# KiCad board Atari TT030.kicad_pcb (continued)
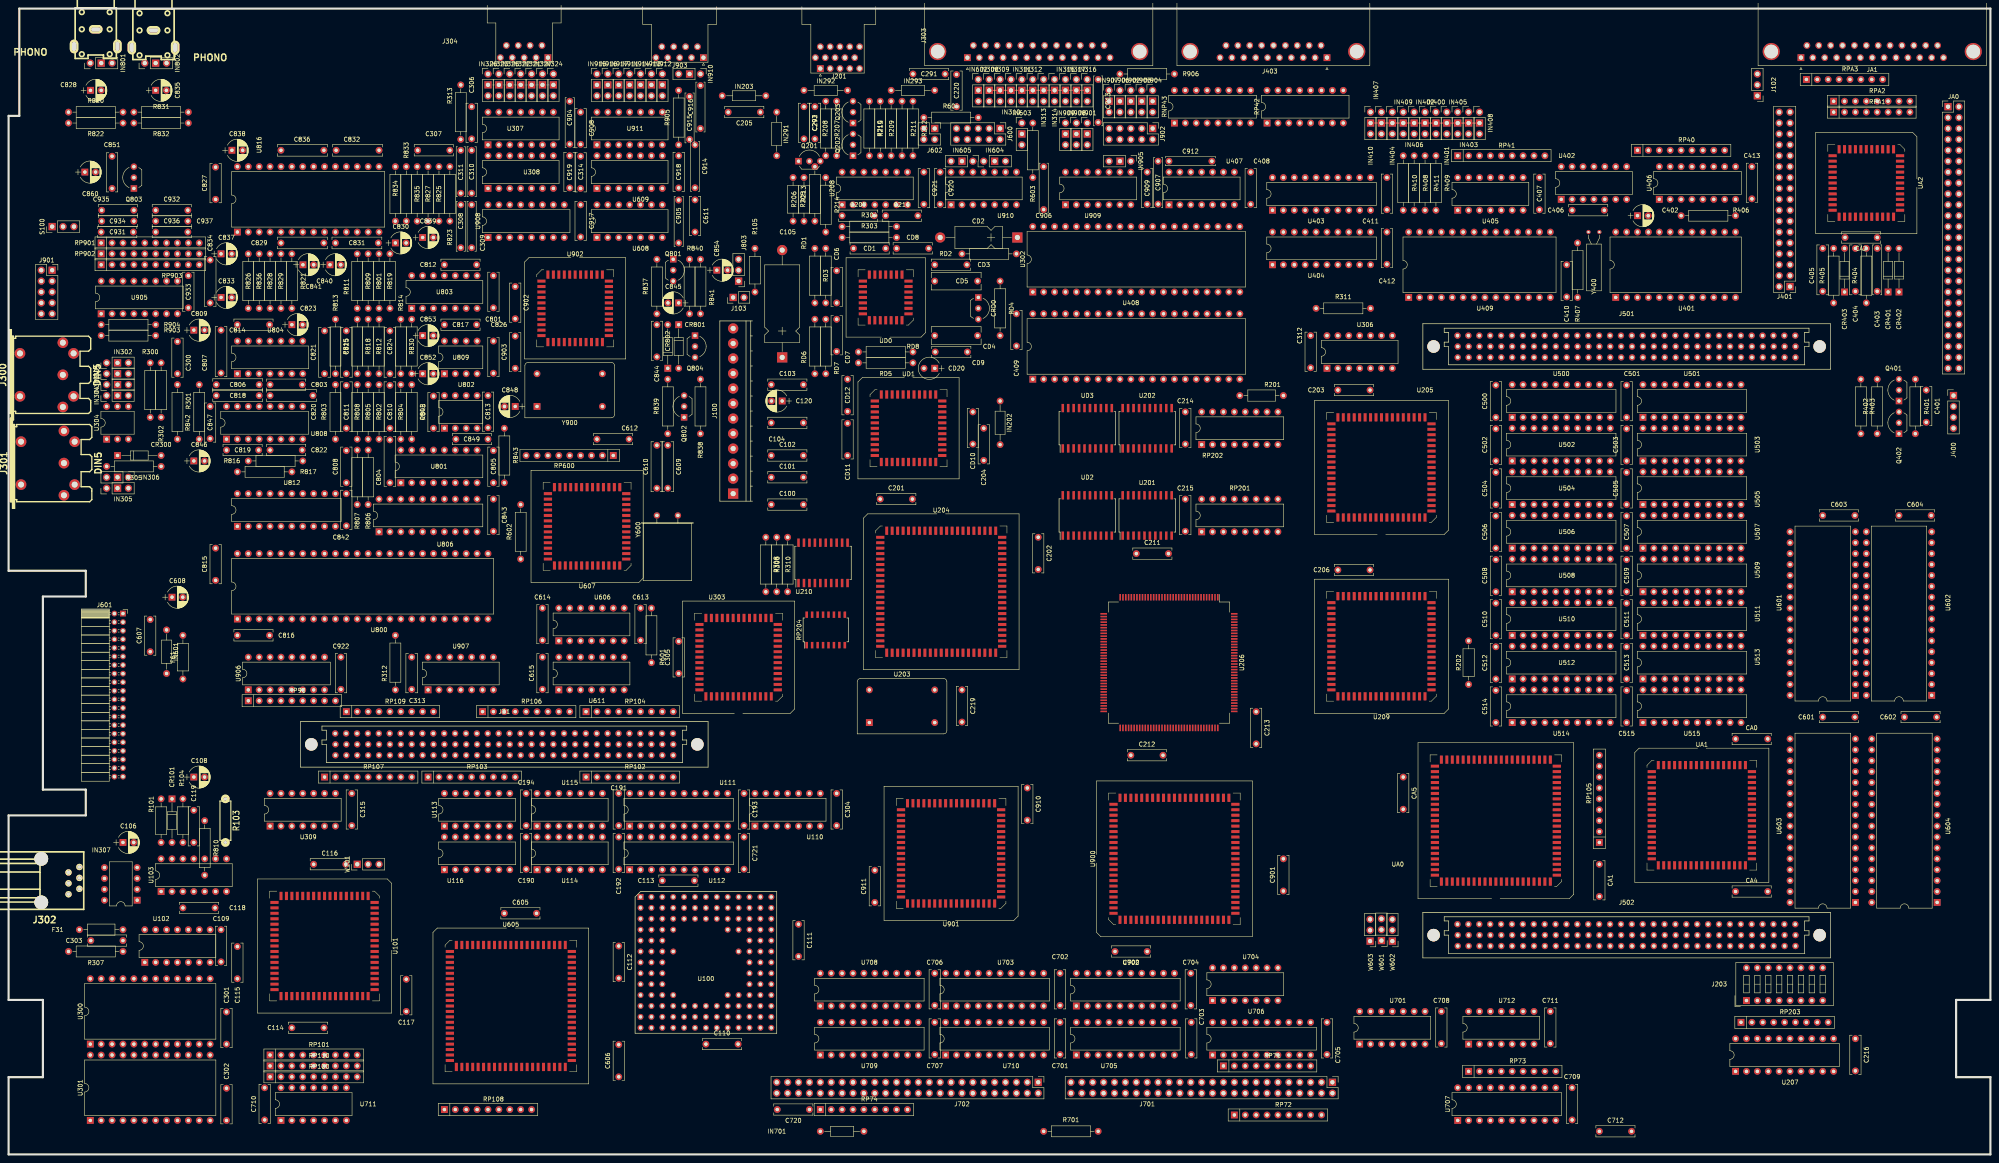
[diagram p0: board, top side]
## Nets (continued)
Net-(C853-Pad1): C853.1 U803.13 U803.14
Net-(C853-Pad2): C853.2 R830.2 U809.8
Net-(C904-Pad1): C904.1 U911.12
Net-(C905-Pad1): C905.1 U608.5
Net-(C906-Pad1): C906.1 U909.2
Net-(C907-Pad1): C907.1 U909.5
Net-(C912-Pad1): C912.1 U909.9
Net-(C913-Pad1): C913.1 U909.12
Net-(C914-Pad1): C914.1 U911.2
Net-(C915-Pad1): C915.1 U911.5
Net-(C916-Pad1): C916.1 U911.9
Net-(CD1-Pad2): CD1.2 RD1.1 RD3.1
Net-(CD2-Pad2): CD2.2 RD2.2
Net-(CR101-A): CR101.2 U103.1 U103.2
Net-(CR300-A): CR300.2 IN306.2 U304.2
Net-(CR300-K): CR300.1 R305.2 U304.1
Net-(CR401-A): CR401.2 CR402.1
Net-(CR402-A): CR402.2 J400.1
Net-(CR403-A): CR403.2 R405.2 U401.18
Net-(CR801-A): CR801.2 Q801.2 R837.2
Net-(CR801-K): C845.1 C854.1 CR801.1 CR802.2 R840.1 R841.2
Net-(CR802-K): CR802.1 Q804.2 R839.1
Net-(CRD0-K): CD4.2 CRD0.1 RD4.2
Net-(F61-Pad1): F61.1 IN601.1
Net-(IN291-Pad2): IN291.2 R205.1
Net-(IN292-Pad2): IN292.2 R207.1
Net-(IN293-Pad2): IN293.2 R209.1
Net-(IN301-Pad2): IN301.2 R300.1
Net-(IN302-Pad2): IN302.2 R304.1
Net-(IN303-Pad2): IN303.2 R302.1
Net-(IN304-Pad2): IN304.2 R303.1
Net-(IN305-Pad2): IN305.2 R305.1
Net-(IN602-Pad1): IN602.1 R604.2
Net-(IN603-Pad1): IN603.1 R603.2
Net-(IN604-Pad2): IN604.2 U608.1
Net-(IN605-Pad2): IN605.2 U609.11
Net-(IN901-Pad2): IN901.2 U909.13
Net-(IN902-Pad2): IN902.2 U910.11
Net-(IN903-Pad2): IN903.2 U909.10
Net-(IN904-Pad2): IN904.2 R906.2 U909.1
Net-(IN905-Pad2): IN905.2 U909.4
Net-(IN906-Pad2): IN906.2 U910.6
Net-(IN907-Pad2): IN907.2 U910.8
Net-(IN908-Pad2): IN908.2 U910.3
Net-(IN909-Pad2): IN909.2 U608.10
Net-(IN910-Pad2): IN910.2 R905.2 U911.1
Net-(IN911-Pad2): IN911.2 U911.4
Net-(IN912-Pad2): IN912.2 U609.6
Net-(IN913-Pad2): IN913.2 U609.8
Net-(IN914-Pad2): IN914.2 U911.10
Net-(IN915-Pad2): IN915.2 U609.3
Net-(IN916-Pad2): IN916.2 U911.13
Net-(IN917-Pad2): IN917.2 U608.4
Net-(J103-Pin_1): J103.1 R105.2
Net-(J201-Pad13): U208.2
Net-(J201-Pad14): U208.4
Net-(J201-Pin_1): C292.1 IN291.1 J201.1
Net-(J201-Pin_2): C293.1 IN292.1 J201.2
Net-(J201-Pin_3): C291.1 IN293.1 J201.3
Net-(J201-Pin_13): J201.13 R211.2
Net-(J201-Pin_14): J201.14 R212.2
Net-(J300-Pin_1): IN301.1 J300.1
Net-(J300-Pin_3): IN302.1 J300.3
Net-(J300-Pin_4): IN303.1 J300.4
Net-(J300-Pin_5): IN304.1 J300.5
Net-(J301-Pin_4): IN305.1 J301.4
Net-(J301-Pin_5): IN306.1 J301.5
Net-(J302-Pin_1): IN307.5 J302.1 J302.2
Net-(J302-Pin_3): IN307.6 J302.3
Net-(J302-Pin_4): IN307.7 J302.4
Net-(J302-Pin_5): IN307.8 J302.5 J302.6
Net-(J303-Pin_1): IN308.1 J303.1
Net-(J303-Pin_2): IN309.1 J303.2
Net-(J303-Pin_3): IN310.1 J303.3
Net-(J303-Pin_4): IN311.1 J303.4
Net-(J303-Pin_5): IN312.1 J303.5
Net-(J303-Pin_6): IN313.1 J303.6
Net-(J303-Pin_7): IN314.1 J303.7
Net-(J303-Pin_8): IN315.1 J303.8
Net-(J303-Pin_9): IN316.1 J303.9
Net-(J303-Pin_11): IN317.1 J303.11
Net-(J401-Pin_10): J401.10 RP40.4 U406.10
Net-(J401-Pin_32): IN410.2 J401.32 RP40.5 U406.14
Net-(J402-Pin_2): IN410.1
Net-(J402-Pin_4): IN409.1
Net-(J402-Pin_5): IN408.1
Net-(J402-Pin_6): IN407.1
Net-(J402-Pin_8): IN406.1
Net-(J402-Pin_9): IN405.1
Net-(J402-Pin_10): IN404.1
Net-(J402-Pin_11): IN403.1
Net-(J402-Pin_12): IN402.1
Net-(J402-Pin_13): IN401.1
Net-(J402-Pin_14): IN400.1
Net-(J403-Pin_1): J403.1 RNP43.16
Net-(J403-Pin_2): J403.2 RNP43.11
Net-(J403-Pin_3): J403.3 RNP43.14
Net-(J403-Pin_4): J403.4 RNP43.10
Net-(J403-Pin_5): J403.5 RNP43.15
Net-(J403-Pin_6): J403.6 RNP43.12
Net-(J403-Pin_7): J403.7 RNP43.13
Net-(J403-Pin_8): J403.8 RNP43.9
Net-(J403-Pin_9): J403.9 RP42.9
Net-(J403-Pin_12): J403.12 RP42.13
Net-(J403-Pin_14): J403.14 RP42.12
Net-(J403-Pin_16): J403.16 RP42.15
Net-(J403-Pin_18): J403.18 RP42.10
Net-(J403-Pin_19): J403.19 RP41.2 U405.13
Net-(J600-Pin_3): IN604.1 J600.3
Net-(J600-Pin_4): IN603.2 J600.4
Net-(J600-Pin_5): IN605.1 J600.5
Net-(J600-Pin_7): IN602.2 J600.7
Net-(J601-Pin_1): C607.1 C608.1 IN601.2 J601.1 J601.2
Net-(J602-Pin_1): J602.1 RP600.8 U607.26
Net-(J602-Pin_3): J602.3 RP600.9 U607.25
Net-(J701-Pad46): U306.2
Net-(J701-Pin_46): J701.46 R701.2 U704.13
Net-(J702-Pin_44): C720.1 IN701.2 J702.44 J702.46 J702.47 J702.48
Net-(J801-Pin_1): IN801.1 J801.1
Net-(J802-Pin_1): IN802.1 J802.1
Net-(J803-Pin_1): C854.2 J803.1
Net-(J901-Pin_1): J901.1 RP902.9
Net-(J901-Pin_2): J901.2 RP902.4
Net-(J901-Pin_3): J901.3 RP903.8
Net-(J901-Pin_5): J901.5 RP901.4
Net-(J901-Pin_6): J901.6 RP903.4
Net-(J901-Pin_7): J901.7 RP902.8
Net-(J901-Pin_8): J901.8 RP901.8
Net-(J902-Pin_1): IN904.1 J902.1
Net-(J902-Pin_2): IN903.1 J902.2
Net-(J902-Pin_3): IN905.1 J902.3
Net-(J902-Pin_4): IN902.1 J902.4
Net-(J902-Pin_5): IN906.1 J902.5
Net-(J902-Pin_6): IN901.1 J902.6
Net-(J902-Pin_7): IN907.1 J902.7
Net-(J902-Pin_8): IN909.1 J902.8
Net-(J902-Pin_10): IN908.1 J902.10
Net-(J903-Pin_1): IN910.1 J903.1
Net-(J903-Pin_2): IN911.1 J903.2
Net-(J903-Pin_3): IN912.1 J903.3
Net-(J903-Pin_4): IN913.1 J903.4
Net-(J903-Pin_6): IN914.1 J903.6
Net-(J903-Pin_7): IN915.1 J903.7
Net-(J903-Pin_8): IN916.1 J903.8
Net-(J903-Pin_9): IN917.1 J903.9
Net-(Q201-B): Q201.2 R213.1 U204.4
Net-(Q201-C): C205.1 IN203.2 Q201.3 Q202.3 Q203.3
Net-(Q201-E): Q201.1 R205.2 R206.1
Net-(Q202-B): Q202.2 R214.1 U204.83
Net-(Q202-E): Q202.1 R207.2 R208.1
Net-(Q203-B): Q203.2 R215.1 U204.78
Net-(Q203-E): Q203.1 R209.2 R210.1
Net-(Q401-C-Pad2): Q401.2 R401.1
Net-(Q402-B): Q402.2 R402.2 R403.1
Net-(Q402-C): Q402.3 R401.2
Net-(Q801-E): Q801.1 R841.1
Net-(Q802-B): Q802.2 R838.1
Net-(Q802-C): Q802.3 Q804.1 R839.2
Net-(Q804-C-Pad3): Q804.3 R840.2
Net-(R301-Pad2): R301.2 U304.4
Net-(R303-Pad2): R303.2 U208.6
Net-(R304-Pad2): R304.2 U208.8
Net-(R407-Pad2): R407.2 U402.1 Y400.2
Net-(R408-Pad2): R408.2 U405.2
Net-(R409-Pad2): R409.2 U405.4
Net-(R410-Pad2): R410.2 U405.6
Net-(R411-Pad2): R411.2 U405.8
Net-(R801-Pad2): R801.2 U801.4
Net-(R804-Pad2): R804.2 U802.5
Net-(R806-Pad1): R806.1 U801.14
Net-(R807-Pad1): R807.1 U801.15
Net-(R809-Pad2): R809.2 U801.2 U803.3
Net-(R811-Pad1): R811.1 U808.4
Net-(R814-Pad2): R814.2 U809.5
Net-(R816-Pad1): R816.1 U808.14
Net-(R817-Pad1): R817.1 U808.15
Net-(R819-Pad1): R819.1 U803.12 U808.2
Net-(R821-Pad1): R821.1 U816.5 U816.25
Net-(R823-Pad1): R823.1 R827.2 U803.7
Net-(R823-Pad2): R823.2 R825.1 U803.6
Net-(R826-Pad2): R826.2 R828.1
Net-(R833-Pad1): R833.1 R835.2 U803.8
Net-(R833-Pad2): R833.2 R834.1 U803.9
Net-(R838-Pad2): R838.2 U306.4
Net-(RNP43-R1.1): RNP43.1 U404.2
Net-(RNP43-R2.1): RNP43.6 U404.3
Net-(RNP43-R3.1): RNP43.3 U404.4
Net-(RNP43-R4.1): RNP43.7 U404.5
Net-(RNP43-R5.1): RNP43.2 U404.6
Net-(RNP43-R6.1): RNP43.5 U404.7
Net-(RNP43-R7.1): RNP43.4 U404.8
Net-(RNP43-R8.1): RNP43.8 U404.9
Net-(RP40B-R1): IN407.2 RP40.3
Net-(RP41-R6): IN408.2 RP41.4 U406.6
Net-(RP41-R7): RP41.3 U405.12 U408.23
Net-(RP42-R1.1): RP42.1 U403.18
Net-(RP42-R2.1): RP42.6 U403.5
Net-(RP42-R3.1): RP42.3 U403.16
Net-(RP42-R4.1): RP42.7 U403.7
Net-(RP42-R5.1): RP42.2 U403.3
Net-(RP42-R6.1): RP42.5 U403.9
Net-(RP42-R7.1): RP42.4 U403.12
Net-(RP42-R8.1): RP42.8 U403.14
Net-(RP72-R1): RP72.6 U701.4 U701.10 U701.13 U712.2 U712.4
Net-(RP90-R6): RP90.4 U905.3 U908.13
Net-(RP100-R5): RP100.6 U101.13 U102.6 U102.10
Net-(RP100-R6): RP100.3 U113.1 U113.10 U113.12 U113.13 U114.1 U114.13 U115.1 U116.1 U116.13
Net-(RP201-R1.2): RP201.10 U201.9
Net-(RP201-R2.2): RP201.9 U201.12
Net-(RP201-R3.2): RP201.16 U201.18
Net-(RP201-R4.2): RP201.12 U201.16
Net-(RP201-R5.2): RP201.11 U201.14
Net-(RP201-R6.2): RP201.13 U201.3
Net-(RP201-R7.2): RP201.14 U201.5
Net-(RP201-R8.2): RP201.15 U201.7
Net-(RP202-R1.1): RP202.7 U202.14
Net-(RP202-R2.1): RP202.8 U202.12
Net-(RP202-R3.1): RP202.1 U202.9
Net-(RP202-R4.1): RP202.5 U202.3
Net-(RP202-R5.1): RP202.6 U202.7
Net-(RP202-R6.1): RP202.4 U202.16
Net-(RP202-R7.1): RP202.3 U202.5
Net-(RP202-R8.1): RP202.2 U202.18
Net-(RP203-R1): J203.16 RP203.2 U207.2
Net-(RP203-R2): J203.15 RP203.4 U207.4
Net-(RP203-R3): J203.14 RP203.6 U207.6
Net-(RP203-R4): J203.13 RP203.8 U207.8
Net-(RP203-R5): J203.12 RP203.9 U207.11
Net-(RP203-R6): J203.11 RP203.7 U207.13
Net-(RP203-R7): J203.10 RP203.5 U207.15
Net-(RP203-R8): J203.9 RP203.3 U207.17
Net-(RP204-R1.2): RP204.10 U210.9
Net-(RP204-R2.2): RP204.9 U210.12
Net-(RP204-R3.2): RP204.16 U210.3
Net-(RP204-R4.2): RP204.12 U210.7
Net-(RP204-R5.2): RP204.11 U210.14
Net-(RP204-R6.2): RP204.13 U210.16
Net-(RP204-R7.2): RP204.14 U210.5
Net-(RP204-R8.2): RP204.15 U210.18
Net-(RP901A-R1.2): C935.1 RP901.2 RP901.3
Net-(RP901C-R3.2): C936.1 RP901.6 RP901.7
Net-(RP902A-R1.2): C934.1 RP902.2 RP902.3
Net-(RP902C-R3.1): RP902.5 U906.9
Net-(RP902C-R3.2): C937.1 RP902.6 RP902.7
Net-(RP902E-R5.2): C933.1 RP902.10 RP903.10
Net-(RP903A-R1.2): C931.1 RP903.2 RP903.3
Net-(RP903C-R3.2): C932.1 RP903.6 RP903.7
Net-(U100-CLK): U100.E1 U112.12
Net-(U100-~{AS}): U100.J2 U111.9 U112.8
Net-(U100-~{AVEC}): U100.E2 U111.7 U115.9
Net-(U100-~{BERR}): U100.H1 U111.8 U113.5
Net-(U100-~{CBACK}): U100.J1 U111.6 U114.5
Net-(U100-~{CIIN}): U100.L1 U114.9
Net-(U100-~{STERM}): U100.G1 U111.5 U115.5
Net-(U103A-CNTL): C118.1 U103.3
Net-(U103A-OUT): U102.1 U102.3 U102.5 U103.5
Net-(U103B-CNTL): C119.1 U103.11
Net-(U103B-DIS): C108.1 R104.2 U103.12 U103.13
Net-(U103B-OUT): U102.9 U102.11 U103.9
Net-(U103B-TGR): R103.2 S100.2 U103.8
Net-(U111-CLK): U110.2 U111.1 U112.1
Net-(U111-IO0): U110.6 U111.12 U113.11 U114.3 U114.11 U115.3
Net-(U111-R0): U111.14 U112.5
Net-(U111-R1): U111.15 U112.4
Net-(U111-R2): U111.16 U112.3
Net-(U111-R3): U111.17 U112.2
Net-(U113A-CLK): U110.4 U110.5 U113.3 U115.11 U116.3 U116.11
Net-(U113A-~{S}): U110.8 U113.4 U115.10 U116.4 U116.10
Net-(U204-CLK2): U204.31 U210.6
Net-(U204-CLK16): U204.29 U210.2 U210.4 U210.8 U210.11 U210.13 U210.15 U210.17
Net-(U204-VDAC): C204.1 IN202.2 U204.75
Net-(U204-~{CS}): U204.27 U206.48
Net-(U204-~{RDAT}): U204.40 U206.108
Net-(U204-~{WDAT}): U204.39 U206.109
Net-(U205-SEL0): U205.41 U206.38 U209.41
Net-(U205-SEL1): U205.42 U206.39 U209.42
Net-(U205-~{DLTCH}): U205.44 U206.72 U209.44
Net-(U205-~{RDAT}): R201.2 U205.45 U206.123 U209.45
Net-(U205-~{VLTCH2}): U205.8 U206.118 U209.8
Net-(U205-~{VLTCH}): U205.7 U206.117 U209.7
Net-(U205-~{WDAT}): R202.2 U205.11 U206.124 U209.11
Net-(U206-~{CCS}): U206.49 U207.1 U207.19
Net-(U208-Pad5): U208.5
Net-(U208-Pad9): U208.9
Net-(U300-RxD): U300.2
Net-(U300-TxD): U300.6
Net-(U300-~{IRQ}): R306.2 U300.7 U301.7 U303.29
Net-(U301-RxD): IN307.3 R307.2 U301.2
Net-(U301-TxD): IN307.4 U301.6
Net-(U302-IOA3): U302.18 U307.9 U307.10
Net-(U302-IOA4): U302.17 U307.2
Net-(U303-I1): U303.26 U308.11
Net-(U303-I2): U303.27 U308.6
Net-(U303-I5): U303.30
Net-(U303-I6): U303.31 U308.8
Net-(U303-I7): U303.32 U907.11
Net-(U303-Pad30): U306.10
Net-(U303-RC): U303.8 U303.11 U303.18
Net-(U303-SI): U303.10 U308.3
Net-(U303-SO): U303.9 U307.4 U307.5
Net-(U303-TAI): U303.22 U309.13
Net-(U306-Pad1): U306.1 U611.11
Net-(U306-Pad13): U306.8 U306.13
Net-(U307E-GND): C306.2 U307.7
Net-(U309-A): U309.1 U309.2 U309.9 U907.8 U907.13
Net-(U401-PS): R404.2 U401.22
Net-(U401-X1): R407.1 U401.2 U402.2 U402.3
Net-(U403A-1A4): U403.11 U404.1 U408.25 U409.2
Net-(U403A-2A1): U403.13 U408.26 U409.3
Net-(U403A-2A2): U403.15 U408.37
Net-(U403A-2A4): U403.6 U408.24
Net-(U404A-~{G}): U404.19 U407.6
Net-(U407A-D): U407.1 U407.2 U408.22 U409.1
Net-(U407B-C): U407.11 UD0.24
Net-(U407B-~{Q}): U407.8 UD1.14
Net-(U408-CA2): U408.27 U409.4
Net-(U408-FDRQ): U408.21 U409.27
Net-(U409-DIRC): U405.9 U409.17
Net-(U409-MO): U405.11 U409.20
Net-(U409-STEP): U405.5 U409.16
Net-(U409-WD): U405.3 U409.22
Net-(U409-WG): U405.1 U409.21
Net-(U601-A15): U601.3 U602.3 U603.3 U604.3 W602.2
Net-(U601-A16): U601.2 U602.2 U603.2 U604.2 W601.2
Net-(U601-~{OE}): U601.24 U602.24 U603.24 U604.24 W603.2
Net-(U605-~{SIRQ}): U605.66 U606.5
Net-(U606-Pad6): U606.6 U611.3
Net-(U606-Pad8): U606.8 U611.5
Net-(U606-Pad10): U606.10 U611.9
Net-(U607-I4): U606.2 U607.29
Net-(U607-RC): U607.8 U607.11 U607.18
Net-(U607-XTAL1): C610.1 U606.3 U607.19 Y600.1
Net-(U607-XTAL2): C609.1 U607.20 Y600.2
Net-(U611-Pad1): U611.1
Net-(U701A-C): U701.3 U701.11 U704.4
Net-(U701A-D): U701.1 U701.2 U704.2
Net-(U701B-~{Q}): U701.8
Net-(U704-Pad11): U704.8 U704.11
Net-(U706-DIR): U704.6 U706.1 U707.1
Net-(U706-~{G}): U704.10 U706.19 U707.19
Net-(U712A-~{C}): U704.12 U712.1
Net-(U800-SD7): U102.13 U800.34
Net-(U800-~{XLD}): U800.32 U806.11
Net-(U800-~{XRD}): U800.33 U812.11
Net-(U806-1Q): U801.5 U806.2
Net-(U806-2Q): U801.6 U806.5
Net-(U806-3Q): U801.7 U806.6
Net-(U806-4Q): U801.8 U806.9
Net-(U806-5Q): U801.9 U806.12
Net-(U806-6Q): U801.10 U806.15
Net-(U806-7Q): U801.11 U806.16
Net-(U806-8Q): U801.12 U806.19
Net-(U812-1Q): U808.5 U812.2
Net-(U812-2Q): U808.6 U812.5
Net-(U812-3Q): U808.7 U812.6
Net-(U812-4Q): U808.8 U812.9
Net-(U812-5Q): U808.9 U812.12
Net-(U812-6Q): U808.10 U812.15
Net-(U812-7Q): U808.11 U812.16
Net-(U812-8Q): U808.12 U812.19
Net-(U900-DA0): U900.71 U901.66
Net-(U900-DA1): U900.72 U901.67
Net-(U900-~{CEN}): U900.65 U901.1
Net-(U900-~{HOLD}): U900.68 U901.4
Net-(U900-~{LDI}): U900.67 U901.3
Net-(U900-~{LWRD}): U900.69 U901.5
Net-(U900-~{PEN}): U900.66 U901.2
Net-(U900-~{THAU}): U900.70 U901.6
Net-(U901-PD0): U901.51 U902.1
Net-(U901-PD1): U901.52 U902.2
Net-(U901-PD2): U901.53 U902.44
Net-(U901-PD3): U901.54 U902.3
Net-(U901-PD4): U901.55 U902.43
Net-(U901-PD5): U901.56 U902.4
Net-(U901-PD6): U901.57 U902.42
Net-(U901-PD7): U901.58 U902.5
Net-(U908A-1I1): U908.2 U909.3
Net-(U908A-1I2): U908.4 U909.8
Net-(U908A-1I3): U908.6 U909.11
Net-(U908A-1I4): U908.10 U909.6
Net-(UA0-A/B-~{EOP}): UA0.76 UA2.30
Net-(UA0-D/C-~{DACK}): UA0.77 UA2.29
Net-(UA0-DA0): UA0.71 UA1.66
Net-(UA0-DA1): UA0.72 UA1.67
Net-(UA0-~{CEN}): UA0.65 UA1.1
Net-(UA0-~{HOLD}): UA0.68 UA1.4
Net-(UA0-~{LDI}): UA0.67 UA1.3
Net-(UA0-~{LWRD}): UA0.69 UA1.5
Net-(UA0-~{PEN}): UA0.66 UA1.2
Net-(UA0-~{RD}): UA0.78 UA2.27
Net-(UA0-~{RQ}-RQ): UA0.73 UA2.25
Net-(UA0-~{THAU}): UA0.70 UA1.6 UA2.24
Net-(UA0-~{WR}): UA0.79 UA2.32
Net-(UA1-PD0): UA1.51 UA2.2
Net-(UA1-PD1): UA1.52 UA2.44
Net-(UA1-PD2): UA1.53 UA2.43
Net-(UA1-PD3): UA1.54 UA2.42
Net-(UA1-PD4): UA1.55 UA2.41
Net-(UA1-PD5): UA1.56 UA2.40
Net-(UA1-PD6): UA1.57 UA2.39
Net-(UA1-PD7): UA1.58 UA2.38
Net-(UD0-CPO): CD3.2 RD2.1 UD0.10
Net-(UD0-LCLK2): RD7.1 UD0.28 UD1.4
Net-(UD0-OPAMP): CD2.1 CD3.1 RD4.1 UD0.11
Net-(UD0-PCLK2): RD5.1 UD0.2 UD1.6
Net-(UD0-VC01): CD4.1 UD0.6
Net-(UD0-VC02): CD5.1 UD0.7
Net-(UD0-XTLC): CD1.1 UD0.14
Net-(UD0-~{LCLK2}): RD8.1 UD0.27 UD1.3
Net-(UD0-~{PCLK2}): RD6.1 UD0.1 UD1.5
Net-(UD1-HOLD): CD11.1 CD12.1 CD20.2 RD5.2 RD6.2 RD7.2 RD8.2 UD1.2 UD1.7 UD1.8 UD1.10 UD1.12
Net-(UD1-VBB): UD1.1 UD1.9 UD1.11 UD1.44

Pads without a net: CRD0 3; IN301 3; IN302 3; IN303 3; IN304 3; IN305 3; IN306 3; IN308 3; IN309 3; IN310 3; IN311 3; IN312 3; IN313 3; IN314 3; IN315 3; IN316 3; IN317 3; IN321 3; IN322 3; IN323 3; IN324 3; IN325 3; IN326 3; IN327 3; IN400 3; IN401 3; IN402 3; IN403 3; IN404 3; IN405 3; IN406 3; IN407 3; IN408 3; IN409 3; IN410 3; IN602 3; IN603 3; IN604 3; IN605 3; IN801 3; IN802 3; IN901 3; IN902 3; IN903 3; IN904 3; IN905 3; IN906 3; IN907 3; IN908 3; IN909 3; IN910 3; IN911 3; IN912 3; IN913 3; IN914 3; IN915 3; IN916 3; IN917 3; J201 11 12; J300 6; J301 1 2 3 6; J303 0 10 12 13 14 15 16 17; J304 6; J400 2; J401 4 6 12 14; J403 0; J501 1a; J502 1a 85 86; J600 1 2 6 8 10; J901 9 10; JA0 25 26; JA1 0 25; JB1 1a 56; RP40 7 8 9; RP42 11 14 16; RP90 2 7 8 9; RP100 4; RP600 2 5; RP901 9 10; S100 3; U100 B1 C2 D3 D9 E12 E13 F4 F10 J12 J13 K2 K9 M1 M2; U101 15; U110 10 11 12 13; U111 13; U112 13 14 15 16; U113 6 8 9; U114 6 8; U115 6 8 13; U116 6 8; U203 1; U204 1 2 3 5 6 69 70 71 72 76 77 79 80 81 82 84; U206 34 97; U208 12 13; U300 5; U301 5; U302 2 5 26 39; U303 1 13 14 15 16 17 20 21 33 34 35 37; U304 3; U307 11 12 13; U309 3 4 5 6 10 11 12; U401 3 21 23; U402 6 8 10 12; U403 2 4 8; U406 2 3 5 11 13; U407 5 9; U500 5; U501 5; U502 5; U503 5; U504 5; U505 5; U506 5; U507 5; U508 5; U509 5; U510 5; U511 5; U512 5; U513 5; U514 5; U515 5; U601 30; U602 30; U603 30; U604 30; U605 1 2 75; U606 12 13; U607 1 13 14 15 16 21 33 34 35; U608 11 12 13; U611 12 13; U701 5 9; U702 16 17; U703 12; U705 3 5 7 13 15 17; U708 2 18; U711 9 10 13; U712 6 8 9 10 11 12 13; U802 1; U809 1; U816 6 7 13 17 23 24; U901 63 64 65; U902 7 17 18 28 34; U905 8 9 10 12 13 16; U907 1 2 3 7 14; U908 11; UA0 81; UA1 63 64 65; UA2 1 23 28 34; UD0 13 17 23 25; UD1 40 41; Y900 1

## Routing (per net, layer and track width the routed paths; a pad name or vN(x,y) marks a point on that pad's centre or on a via; arc(x,y) is an arc through that point)
(no net): length 63.5
  Top w0.25: IN308.3 IN316.3 ; IN410.3 IN408.3
  Bottom w0.25: IN326.3 IN324.3
